# Allegro board 08_041351d.brd (continued)
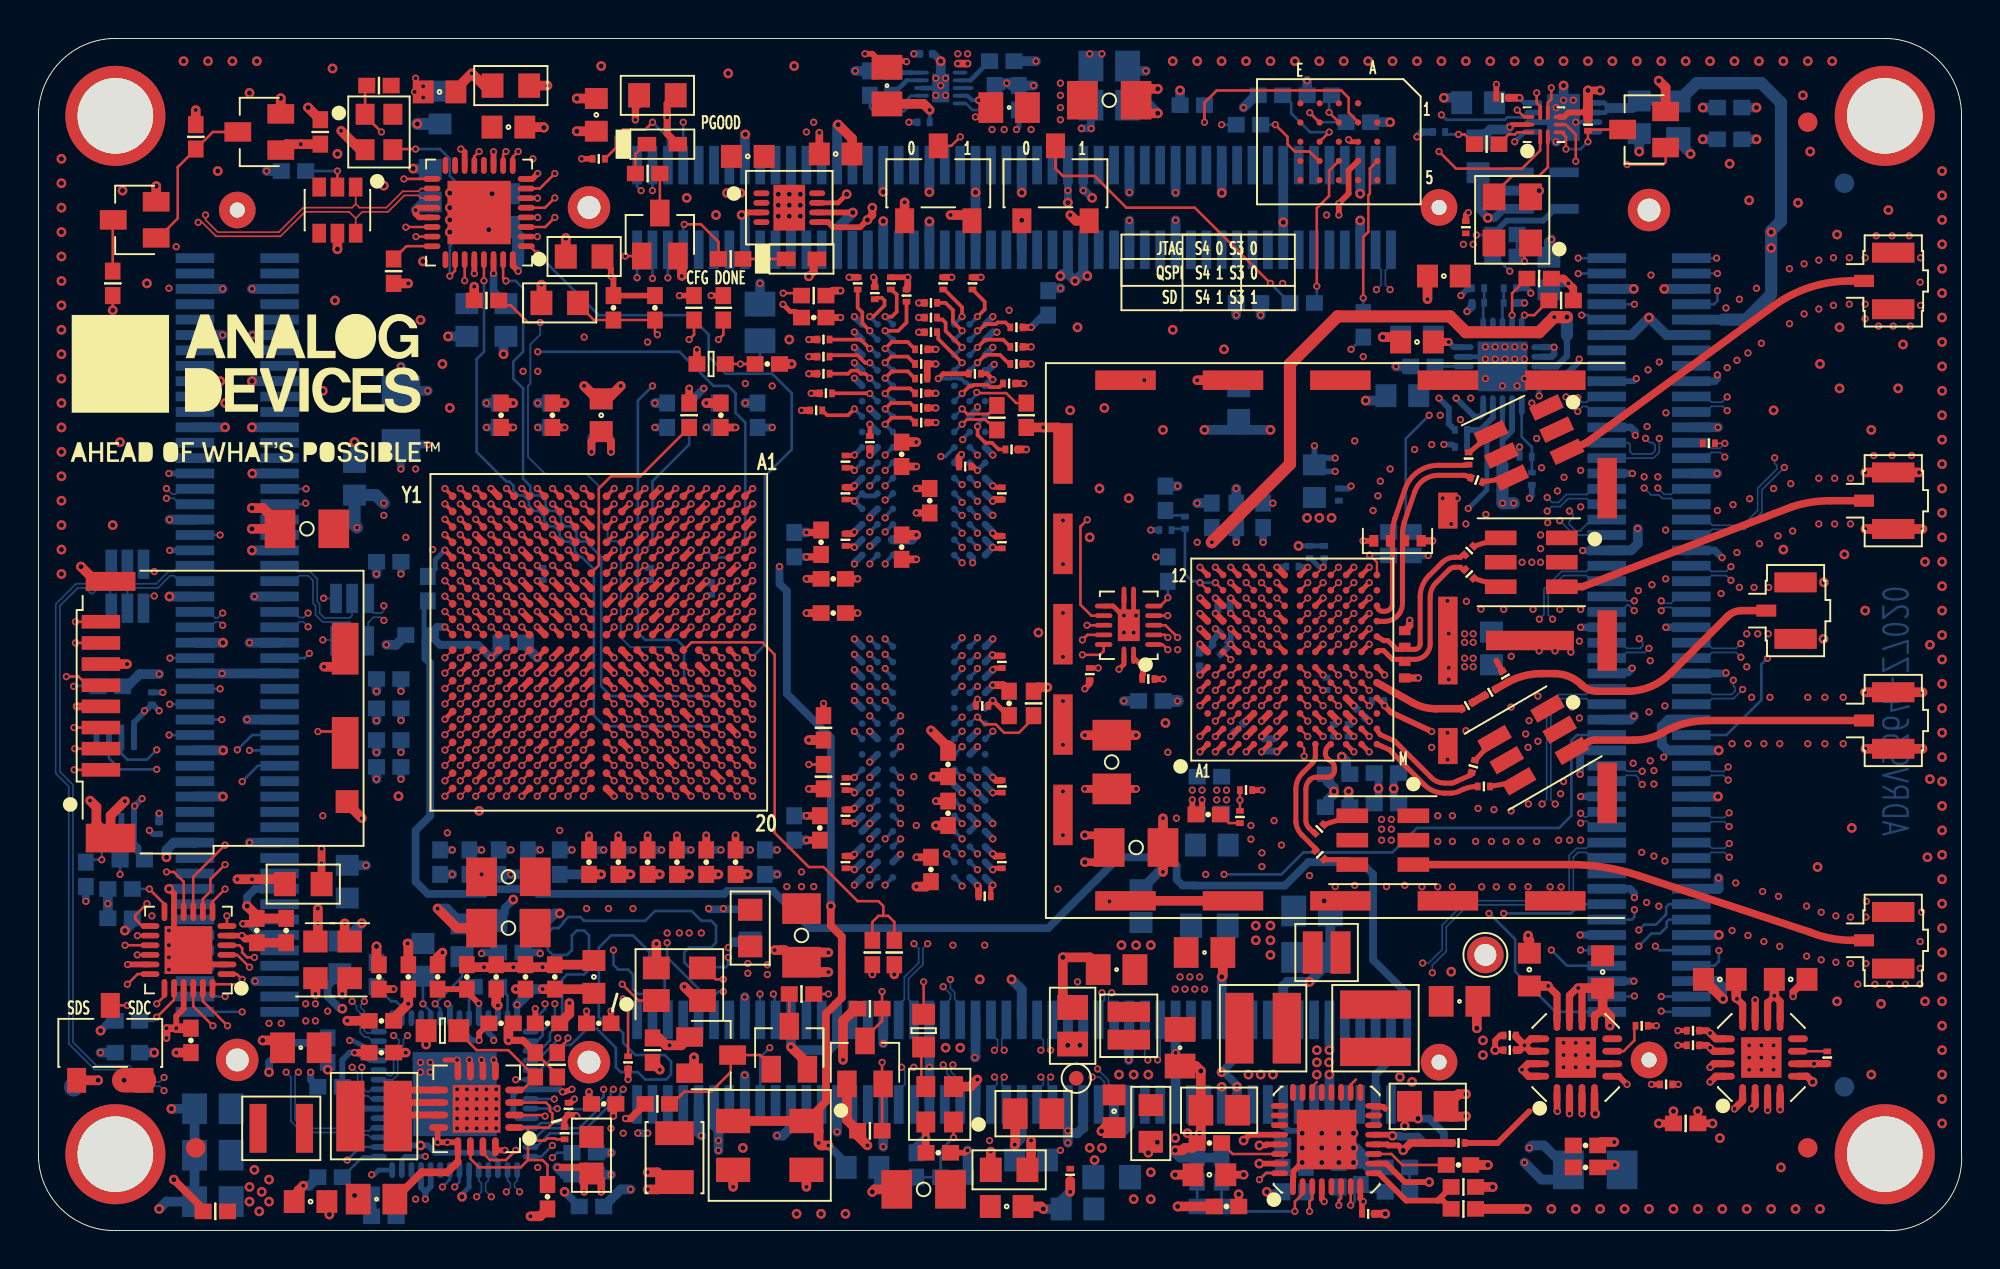
[diagram p0: board, top side]
## Footprints (pads in the part's own frame, mm; a bottom-side part is the same pattern mirrored in y, then rotated) (continued)
C0201
  rect 0.305x0.406 smd: 1(-0.318,0) 2(0.318,0)
C0402
  rect 0.889x0.813 smd: 1(-0.635,0) 2(0.635,0)
C0402H22
  rect 0.889x0.813 smd: 1(-0.635,0) 2(0.635,0)
C0603
  rect 1.092x1.194 smd: 1(-0.851,0) 2(0.851,0)
C0805
  rect 1.295x1.6 smd: 1(-0.953,0) 2(0.953,0)
C0805H53
  rect 1.295x1.6 smd: 1(-0.953,0) 2(0.953,0)
C0805H60
  rect 1.295x1.6 smd: 1(-0.953,0) 2(0.953,0)
C1206H71
  rect 1.6x2.007 smd: 1(-1.397,0) 2(1.397,0)
CNFCI61082-101400
  round 2.21 hole 1.194 unplated: (-22.1,0)
  round 1.905 hole 0.787 unplated: (22.1,0)
  rect 0.508x2.007 smd: 1(-19.6,-2.2) 2(-19.6,2.2) 3(-18.8,-2.2) 4(-18.8,2.2) 5(-18,-2.2) 6(-18,2.2) 7(-17.2,-2.2) 8(-17.2,2.2) 9(-16.4,-2.2) 10(-16.4,2.2) 11(-15.6,-2.2) 12(-15.6,2.2) 13(-14.8,-2.2) 14(-14.8,2.2) 15(-14,-2.2) 16(-14,2.2) 17(-13.2,-2.2) 18(-13.2,2.2) 19(-12.4,-2.2) 20(-12.4,2.2) 21(-11.6,-2.2) 22(-11.6,2.2) 23(-10.8,-2.2) 24(-10.8,2.2) 25(-10,-2.2) 26(-10,2.2) 27(-9.2,-2.2) 28(-9.2,2.2) 29(-8.4,-2.2) 30(-8.4,2.2) 31(-7.6,-2.2) 32(-7.6,2.2) 33(-6.8,-2.2) 34(-6.8,2.2) 35(-6,-2.2) 36(-6,2.2) 37(-5.2,-2.2) 38(-5.2,2.2) 39(-4.4,-2.2) 40(-4.4,2.2) 41(-3.6,-2.2) 42(-3.6,2.2) 43(-2.8,-2.2) 44(-2.8,2.2) 45(-2,-2.2) 46(-2,2.2) 47(-1.2,-2.2) 48(-1.2,2.2) 49(-0.4,-2.2) 50(-0.4,2.2) 51(0.4,-2.2) 52(0.4,2.2) 53(1.2,-2.2) 54(1.2,2.2) 55(2,-2.2) 56(2,2.2) 57(2.8,-2.2) 58(2.8,2.2) 59(3.6,-2.2) 60(3.6,2.2) 61(4.4,-2.2) 62(4.4,2.2) 63(5.2,-2.2) 64(5.2,2.2) 65(6,-2.2) 66(6,2.2) 67(6.8,-2.2) 68(6.8,2.2) 69(7.6,-2.2) 70(7.6,2.2) 71(8.4,-2.2) 72(8.4,2.2) 73(9.2,-2.2) 74(9.2,2.2) 75(10,-2.2) 76(10,2.2) 77(10.8,-2.2) 78(10.8,2.2) 79(11.6,-2.2) 80(11.6,2.2) 81(12.4,-2.2) 82(12.4,2.2) 83(13.2,-2.2) 84(13.2,2.2) 85(14,-2.2) 86(14,2.2) 87(14.8,-2.2) 88(14.8,2.2) 89(15.6,-2.2) 90(15.6,2.2) 91(16.4,-2.2) 92(16.4,2.2) 93(17.2,-2.2) 94(17.2,2.2) 95(18,-2.2) 96(18,2.2) 97(18.8,-2.2) 98(18.8,2.2) 99(19.6,-2.2) 100(19.6,2.2)
CNHIROSE-U_FL-R-SMT-1
  rect 0.635x1.041 smd: 1(0,-1.521)
  rect 1.041x2.21 smd: 2(-1.471,0) 3(1.471,0)
CNHIROSEDM3CS-SF
  rect 2.007x0.711 smd: 1(-6.204,-3.2) 2(-6.204,-2.1) 3(-6.204,-1) 4(-6.204,0.1) 5(-6.204,1.2) 6(-6.204,2.3) 7(-6.204,3.4) 8(-6.204,4.5)
  rect 1.397x2.692 smd: 9(6.5,-1.8) GND3(6.5,3.1)
  rect 2.591x1.499 smd: GND1(-5.7,-6.75)
  rect 1.194x1.194 smd: GND2(6.6,-4.85)
  rect 2.591x0.991 smd: GND4(-5.7,6.6)
DFN8_3X3_PAD2_38X1_64
  oval 0.305x0.838 smd: 1(-0.75,-1.45) 2(-0.25,-1.45) 3(0.25,-1.45) 4(0.75,-1.45) 5(0.75,1.45) 6(0.25,1.45) 7(-0.25,1.45) 8(-0.75,1.45)
  rect 2.388x1.651 smd: PAD(0,0)
DQFN14_3X2_5_PAD1_65X1_15
  oval 0.914x0.254 smd: 1(-1.557,-0.25) 7(1.557,-0.25) 8(1.557,0.25) 14(-1.557,0.25)
  oval 0.254x0.914 smd: 2(-1,-1.307) 3(-0.5,-1.307) 4(0,-1.307) 5(0.5,-1.307) 6(1,-1.307) 9(1,1.307) 10(0.5,1.307) 11(0,1.307) 12(-0.5,1.307) 13(-1,1.307)
  rect 1.651x1.143 smd: PAD(0,0)
FBGA96_C
  round 0.356 smd: A1(-6,-3.2) A2(-6,-2.4) A3(-6,-1.6) A7(-6,1.6) A8(-6,2.4) A9(-6,3.2) B1(-5.2,-3.2) B2(-5.2,-2.4) B3(-5.2,-1.6) B7(-5.2,1.6) B8(-5.2,2.4) B9(-5.2,3.2) C1(-4.4,-3.2) C2(-4.4,-2.4) C3(-4.4,-1.6) C7(-4.4,1.6) C8(-4.4,2.4) C9(-4.4,3.2) D1(-3.6,-3.2) D2(-3.6,-2.4) D3(-3.6,-1.6) D7(-3.6,1.6) D8(-3.6,2.4) D9(-3.6,3.2) E1(-2.8,-3.2) E2(-2.8,-2.4) E3(-2.8,-1.6) E7(-2.8,1.6) E8(-2.8,2.4) E9(-2.8,3.2) F1(-2,-3.2) F2(-2,-2.4) F3(-2,-1.6) F7(-2,1.6) F8(-2,2.4) F9(-2,3.2) G1(-1.2,-3.2) G2(-1.2,-2.4) G3(-1.2,-1.6) G7(-1.2,1.6) G8(-1.2,2.4) G9(-1.2,3.2) H1(-0.4,-3.2) H2(-0.4,-2.4) H3(-0.4,-1.6) H7(-0.4,1.6) H8(-0.4,2.4) H9(-0.4,3.2) J1(0.4,-3.2) J2(0.4,-2.4) J3(0.4,-1.6) J7(0.4,1.6) J8(0.4,2.4) J9(0.4,3.2) K1(1.2,-3.2) K2(1.2,-2.4) K3(1.2,-1.6) K7(1.2,1.6) K8(1.2,2.4) K9(1.2,3.2) L1(2,-3.2) L2(2,-2.4) L3(2,-1.6) L7(2,1.6) L8(2,2.4) L9(2,3.2) M1(2.8,-3.2) M2(2.8,-2.4) M3(2.8,-1.6) M7(2.8,1.6) M8(2.8,2.4) M9(2.8,3.2) N1(3.6,-3.2) N2(3.6,-2.4) N3(3.6,-1.6) N7(3.6,1.6) N8(3.6,2.4) N9(3.6,3.2) P1(4.4,-3.2) P2(4.4,-2.4) P3(4.4,-1.6) P7(4.4,1.6) P8(4.4,2.4) P9(4.4,3.2) R1(5.2,-3.2) R2(5.2,-2.4) R3(5.2,-1.6) R7(5.2,1.6) R8(5.2,2.4) R9(5.2,3.2) T1(6,-3.2) T2(6,-2.4) T3(6,-1.6) T7(6,1.6) T8(6,2.4) T9(6,3.2)
JPRSLD03
  rect 0.61x1.524 smd: 1(-0.838,0) 2(0,0) 3(0.838,0)
L0402
  rect 0.483x0.61 smd: 1(-0.43,0) 2(0.43,0)
L0402#2
  rect 0.889x0.813 smd: 1(-0.635,0) 2(0.635,0)
L0603
  rect 0.889x0.813 smd: 1(-0.737,0) 2(0.737,0)
L0805
  rect 1.143x1.27 smd: 1(-0.953,0) 2(0.953,0)
L1008_A
  rect 0.889x2.54 smd: 1(-1.206,0) 2(1.206,0)
L1210H67
  rect 1.245x2.007 smd: 1(-1.272,0) 2(1.272,0)
LED0603
  rect 0.965x0.762 smd: A(0.8,0) C(-0.8,0)
LSMSQ79H41
  rect 1.041x2.21 smd: 1(-0.724,0) 2(0.724,0)
LSMSQ157H83
  rect 1.473x3.683 smd: 1(-1.232,0) 2(1.232,0)
MLT15CCC2243A
  rect 3.15x1.016 smd: GND1(-11.455,-13.538) GND2(-5.867,-13.538) GND3(-0.279,-13.538) GND4(5.309,-13.538) GND5(10.897,-13.538) GND11(10.897,13.538) GND12(5.309,13.538) GND13(-0.279,13.538) GND14(-5.867,13.538) GND15(-11.455,13.538)
  rect 1.016x3.15 smd: GND6(14.148,-9.728) GND7(14.148,-5.029) GND8(14.148,-0.33) GND9(14.148,4.369) GND10(14.148,9.068) GND16(-14.148,7.925) GND17(-14.148,0) GND18(-14.148,-7.925)
  rect 4.572x1.016 smd: GND19(-10.135,0)
  rect 1.016x1.88 smd: GND20(-5.867,5.486) GND22(-5.867,-6.756)
  rect 1.016x4.572 smd: GND21(-5.867,0)
MSOP8
  rect 0.305x1.321 smd: 1(-0.975,-2.3) 2(-0.325,-2.3) 3(0.325,-2.3) 4(0.975,-2.3) 5(0.975,2.3) 6(0.325,2.3) 7(-0.325,2.3) 8(-0.975,2.3)
QFN8_3X3_PAD2_44X1_7
  oval 0.305x0.914 smd: 1(-0.75,-1.557) 2(-0.25,-1.557) 3(0.25,-1.557) 4(0.75,-1.557) 5(0.75,1.557) 6(0.25,1.557) 7(-0.25,1.557) 8(-0.75,1.557)
  rect 2.438x1.702 smd: PAD(0,0)
QFN10_1_6X1_3
  oval 0.61x0.203 smd: 1(-0.8,-0.4) 4(0.8,-0.4) 5(0.8,0) 6(0.8,0.4) 9(-0.8,0.4) 10(-0.8,0)
  oval 0.203x0.813 smd: 2(-0.2,-0.65) 3(0.2,-0.65) 7(0.2,0.65) 8(-0.2,0.65)
QFN16_4X4_PAD2_1X2_1
  oval 0.356x1.041 smd: 1(-0.975,-1.9) 2(-0.325,-1.9) 3(0.325,-1.9) 4(0.975,-1.9) 9(0.975,1.9) 10(0.325,1.9) 11(-0.325,1.9) 12(-0.975,1.9)
  oval 1.041x0.356 smd: 5(1.9,-0.975) 6(1.9,-0.325) 7(1.9,0.325) 8(1.9,0.975) 13(-1.9,0.975) 14(-1.9,0.325) 15(-1.9,-0.325) 16(-1.9,-0.975)
  rect 2.108x2.108 smd: PAD(0,0)
QFN16_4X4_PAD2_5X2_5
  oval 0.356x0.991 smd: 1(-0.975,-1.974) 2(-0.325,-1.974) 3(0.325,-1.974) 4(0.975,-1.974) 9(0.975,1.974) 10(0.325,1.974) 11(-0.325,1.974) 12(-0.975,1.974)
  oval 0.991x0.356 smd: 5(1.974,-0.975) 6(1.974,-0.325) 7(1.974,0.325) 8(1.974,0.975) 13(-1.974,0.975) 14(-1.974,0.325) 15(-1.974,-0.325) 16(-1.974,-0.975)
  rect 2.489x2.489 smd: PAD(0,0)
QFN20_4X4_PAD2_6X2_6
  oval 0.305x1.041 smd: 1(-1,-2.019) 2(-0.5,-2.019) 3(0,-2.019) 4(0.5,-2.019) 5(1,-2.019) 11(1,2.019) 12(0.5,2.019) 13(0,2.019) 14(-0.5,2.019) 15(-1,2.019)
  oval 1.041x0.305 smd: 6(2.019,-1) 7(2.019,-0.5) 8(2.019,0) 9(2.019,0.5) 10(2.019,1) 16(-2.019,1) 17(-2.019,0.5) 18(-2.019,0) 19(-2.019,-0.5) 20(-2.019,-1)
  rect 2.591x2.591 smd: PAD(0,0)
QFN24_4X4_PAD2_5X2_5
  oval 0.305x0.991 smd: 1(-1.25,-2) 2(-0.75,-2) 3(-0.25,-2) 4(0.25,-2) 5(0.75,-2) 6(1.25,-2) 13(1.25,2) 14(0.75,2) 15(0.25,2) 16(-0.25,2) 17(-0.75,2) 18(-1.25,2)
  oval 0.991x0.305 smd: 7(2,-1.25) 8(2,-0.75) 9(2,-0.25) 10(2,0.25) 11(2,0.75) 12(2,1.25) 19(-2,1.25) 20(-2,0.75) 21(-2,0.25) 22(-2,-0.25) 23(-2,-0.75) 24(-2,-1.25)
  rect 2.489x2.489 smd: PAD(0,0)
QFN32_5X5_PAD3_1X3_1
  oval 0.305x0.889 smd: 1(-1.75,-2.45) 2(-1.25,-2.45) 3(-0.75,-2.45) 4(-0.25,-2.45) 5(0.25,-2.45) 6(0.75,-2.45) 7(1.25,-2.45) 8(1.75,-2.45) 17(1.75,2.45) 18(1.25,2.45) 19(0.75,2.45) 20(0.25,2.45) 21(-0.25,2.45) 22(-0.75,2.45) 23(-1.25,2.45) 24(-1.75,2.45)
  oval 0.889x0.305 smd: 9(2.45,-1.75) 10(2.45,-1.25) 11(2.45,-0.75) 12(2.45,-0.25) 13(2.45,0.25) 14(2.45,0.75) 15(2.45,1.25) 16(2.45,1.75) 25(-2.45,1.75) 26(-2.45,1.25) 27(-2.45,0.75) 28(-2.45,0.25) 29(-2.45,-0.25) 30(-2.45,-0.75) 31(-2.45,-1.25) 32(-2.45,-1.75)
  rect 3.099x3.099 smd: PAD(0,0)
QFN32_5X5_PAD3_3X3_3
  oval 0.305x0.889 smd: 1(-1.75,-2.45) 2(-1.25,-2.45) 3(-0.75,-2.45) 4(-0.25,-2.45) 5(0.25,-2.45) 6(0.75,-2.45) 7(1.25,-2.45) 8(1.75,-2.45) 17(1.75,2.45) 18(1.25,2.45) 19(0.75,2.45) 20(0.25,2.45) 21(-0.25,2.45) 22(-0.75,2.45) 23(-1.25,2.45) 24(-1.75,2.45)
  oval 0.889x0.305 smd: 9(2.45,-1.75) 10(2.45,-1.25) 11(2.45,-0.75) 12(2.45,-0.25) 13(2.45,0.25) 14(2.45,0.75) 15(2.45,1.25) 16(2.45,1.75) 25(-2.45,1.75) 26(-2.45,1.25) 27(-2.45,0.75) 28(-2.45,0.25) 29(-2.45,-0.25) 30(-2.45,-0.75) 31(-2.45,-1.25) 32(-2.45,-1.75)
  rect 3.302x3.302 smd: PAD(0,0)
QFN56_8X8_PAD4_37X4_37
  oval 0.305x0.838 smd: 1(-3.25,-3.95) 2(-2.75,-3.95) 3(-2.25,-3.95) 4(-1.75,-3.95) 5(-1.25,-3.95) 6(-0.75,-3.95) 7(-0.25,-3.95) 8(0.25,-3.95) 9(0.75,-3.95) 10(1.25,-3.95) 11(1.75,-3.95) 12(2.25,-3.95) 13(2.75,-3.95) 14(3.25,-3.95) 29(3.25,3.95) 30(2.75,3.95) 31(2.25,3.95) 32(1.75,3.95) 33(1.25,3.95) 34(0.75,3.95) 35(0.25,3.95) 36(-0.25,3.95) 37(-0.75,3.95) 38(-1.25,3.95) 39(-1.75,3.95) 40(-2.25,3.95) 41(-2.75,3.95) 42(-3.25,3.95)
  oval 0.838x0.305 smd: 15(3.95,-3.25) 16(3.95,-2.75) 17(3.95,-2.25) 18(3.95,-1.75) 19(3.95,-1.25) 20(3.95,-0.75) 21(3.95,-0.25) 22(3.95,0.25) 23(3.95,0.75) 24(3.95,1.25) 25(3.95,1.75) 26(3.95,2.25) 27(3.95,2.75) 28(3.95,3.25) 43(-3.95,3.25) 44(-3.95,2.75) 45(-3.95,2.25) 46(-3.95,1.75) 47(-3.95,1.25) 48(-3.95,0.75) 49(-3.95,0.25) 50(-3.95,-0.25) 51(-3.95,-0.75) 52(-3.95,-1.25) 53(-3.95,-1.75) 54(-3.95,-2.25) 55(-3.95,-2.75) 56(-3.95,-3.25)
  rect 4.369x4.369 smd: PAD(0,0)
R0201
  rect 0.305x0.406 smd: 1(-0.318,0) 2(0.318,0)
R0402
  rect 0.889x0.813 smd: 1(-0.635,0) 2(0.635,0)
R0603
  rect 1.092x1.194 smd: 1(-0.851,0) 2(0.851,0)
SON10_2X2_PAD1_5X0_9
  oval 0.203x0.762 smd: 1(-0.8,-1) 2(-0.4,-1) 3(0,-1) 4(0.4,-1) 5(0.8,-1) 6(0.8,1) 7(0.4,1) 8(0,1) 9(-0.4,1) 10(-0.8,1)
  rect 1.499x0.889 smd: PAD(0,0)
SOT23
  rect 1.016x1.397 smd: 1(-0.94,-1.118) 2(0.94,-1.118) 3(0,1.118)
SOT23_6-2
  rect 0.711x0.991 smd: 1(-0.95,-1.2) 2(0,-1.2) 3(0.95,-1.2) 4(0.95,1.2) 5(0,1.2) 6(-0.95,1.2)
SWSML213W98H98
  rect 0.991x1.295 smd: 1(-1.75,-1.948) 2(0,1.948) 3(1.75,-1.948)
SWSMSQ197H165
  rect 1.778x1.27 smd: 1A(-1.905,-1.27) 1B(1.905,-1.27) 2A(-1.905,1.27) 2B(1.905,1.27)
TBGA24
  round 0.33 smd: A2(-2,-1) A3(-2,0) A4(-2,1) A5(-2,2) B1(-1,-2) B2(-1,-1) B3(-1,0) B4(-1,1) B5(-1,2) C1(0,-2) C2(0,-1) C3(0,0) C4(0,1) C5(0,2) D1(1,-2) D2(1,-1) D3(1,0) D4(1,1) D5(1,2) E1(2,-2) E2(2,-1) E3(2,0) E4(2,1) E5(2,2)
TPC75D45
  round 1.905 hole 1.143: 1(0,0)
TPSMC30
  round 0.762 smd: 1(0,0)
TSML150W160H160
  rect 0.762x1.651 smd: 1(-1.27,1.587) 2(0,1.587) 3(1.27,1.587) 4(1.27,-1.587) 5(0,-1.587) 6(-1.27,-1.587)
TSOT-5
  rect 0.508x1.524 smd: 1(-0.95,-1.17) 2(0,-1.17) 3(0.95,-1.17) 4(0.95,1.17) 5(-0.95,1.17)
unnamed
  round 1.016 smd: (0,0)
unnamed#2
  round 5.207 hole 3.937 unplated: (0,0)
YSML98W79H35
  rect 1.092x0.991 smd: 1(-0.921,-0.72) 2(0.921,-0.72) 3(0.921,0.72) 4(-0.921,0.72)
YSML126W98H39
  rect 1.397x1.194 smd: 1(-1.199,-0.847) 2(1.199,-0.847) 3(1.199,0.847) 4(-1.199,0.847)
YSML126W98H47
  rect 1.397x1.194 smd: 1(-1.2,-0.95) 2(1.2,-0.95) 3(1.2,0.95) 4(-1.2,0.95)

## Nets
1.0V: C128.1 C130.1 C131.1 E4.1 E5.1 E6.1 L6.2(N2) R49.2(N2)
1.8V: C129.1 C135.1 C148.1 C149.1 E9.1 E14.1 L10.2(N2) R22.2(N2) R39.1 U19.1 U19.2 U19.3 U19.4 U19.15 U19.16 U20.1 U20.2 U20.3 U20.4 U20.15 U20.16
1.35V: C132.1 C136.1 E2.1 E3.1 L7.2(N2) R35.2(N2)
3.3V: C38.1 C111.2(N2) C124.1 C134.1 C152.1 C188.2(N2) C199.1 C244.2(N2) D3.A(P) E7.1 E8.1 E15.1 E16.1 R33.1 R42.1 R43.1 R44.1 R61.1 R63.1 R65.1 U5.6(VDD) U6.5 U6.8 U7.1 U7.3 U9.1(VOUT) U9.2 U21.8(VCCB) U24.10 U24.16 U24.17
GND: C1.2(N2) C2.2(N2) C3.2(N2) C4.2(N2) C5.2(N2) C7.2(N2) C10.2(N2) C11.2(N2) C12.1 C13.1 C14.1 C15.2(N2) C16.2(N2) C17.2(N2) C18.2(N2) C19.2(N2) C20.2(N2) C21.2(N2) C22.2(N2) C23.2(N2) C24.1 C27.2(N2) C28.2(N2) C29.2(N2) C30.2(N2) C31.2(N2) C32.2(N2) C33.2(N2) C34.2(N2) C35.2(N2) C36.2(N2) C37.2(N2) C38.2(N2) C39.2(N2) C40.2(N2) C41.2(N2) C42.2(N2) C43.1 C44.2(N2) C45.2(N2) C46.2(N2) C47.2(N2) C48.2(N2) C49.2(N2) C50.2(N2) C51.2(N2) C52.2(N2) C53.2(N2) C54.2(N2) C55.2(N2) C56.2(N2) C57.2(N2) C58.2(N2) C59.2(N2) C60.2(N2) C61.2(N2) C63.2(N2) C64.2(N2) C65.2(N2) C66.2(N2) C67.2(N2) C68.2(N2) C69.2(N2) C70.2(N2) C71.2(N2) C72.2(N2) C73.2(N2) C74.2(N2) C75.2(N2) C76.2(N2) C77.2(N2) C78.2(N2) C79.2(N2) C80.2(N2) C81.2(N2) C82.2(N2) C83.2(N2) C84.2(N2) C86.2(N2) C87.2(N2) C88.2(N2) C89.2(N2) C91.2(N2) C92.2(N2) C93.1 C94.2(N2) C95.2(N2) C96.2(N2) C97.2(N2) C98.2(N2) C100.2(N2) C101.2(N2) C102.2(N2) C103.2(N2) C104.1 C105.1 C106.2(N2) C107.2(N2) C108.2(N2) C109.2(N2) C111.1 C112.2(N2) C113.2(N2) C115.2(N2) C116.2(N2) C117.2(N2) C118.2(N2) C119.2(N2) C120.2(N2) C121.2(N2) C122.1 C123.1 C124.2(N2) C125.2(N2) C126.2(N2) C128.2(N2) C129.2(N2) C130.2(N2) C131.2(N2) C132.2(N2) C133.2(N2) C134.2(N2) C135.2(N2) C136.2(N2) C137.2(N2) C138.2(N2) C139.2(N2) C140.2(N2) C141.2(N2) C142.1 C143.2(N2) C144.1 C145.1 C146.2(N2) C147.2(N2) C148.2(N2) C149.2(N2) C150.2(N2) C151.2(N2) C152.2(N2) C158.2(N2) C159.2(N2) C162.2(N2) C163.2(N2) C165.2(N2) C167.2(N2) C169.2(N2) C170.2(N2) C171.2(N2) C173.2(N2) C174.2(N2) C175.2(N2) C178.2(N2) C179.2(N2) C181.2(N2) C182.2(N2) C183.2(N2) C184.2(N2) C188.1 C191.2(N2) C193.2(N2) C194.2(N2) C195.2(N2) C196.2(N2) C197.2(N2) C198.2(N2) C199.2(N2) C200.2(N2) C201.2(N2) C203.2(N2) C206.2(N2) C208.2(N2) C210.2(N2) C211.2(N2) C212.2(N2) C214.2(N2) C217.2(N2) C218.2(N2) C219.2(N2) C224.2(N2) C225.2(N2) C226.2(N2) C243.1 C244.1 C245.2(N2) C246.2(N2) C251.2(N2) C311.2(N2) C312.2(N2) C313.2(N2) C314.2(N2) C315.2(N2) C319.2(N2) C320.2(N2) C321.2(N2) C322.2(N2) C323.2(N2) C324.2(N2) C325.2(N2) C326.2(N2) C327.2(N2) C328.2(N2) C329.2(N2) C330.2(N2) C331.2(N2) C332.2(N2) C333.2(N2) C334.2(N2) C335.2(N2) C340.2(N2) C341.2(N2) C342.2(N2) C343.2(N2) C344.2(N2) C354.2(N2) C355.2(N2) C356.2(N2) C357.2(N2) C358.2(N2) C360.2(N2) C361.2(N2) C363.2(N2) C364.2(N2) C365.2(N2) E12.1 J3.6 J3.GND1 J3.GND2 J3.GND3 J3.GND4 JX1.15 JX1.16 JX1.21 JX1.22 JX1.27 JX1.28 JX1.33 JX1.34 JX1.39 JX1.40 JX1.45 JX1.46 JX1.51 JX1.52 JX1.65 JX1.66 JX1.71 JX1.72 JX1.77 JX1.85 JX1.86 JX1.95 JX1.96 JX2.15 JX2.16 JX2.21 JX2.22 JX2.27 JX2.28 JX2.33 JX2.34 JX2.39 JX2.40 JX2.45 JX2.46 JX2.51 JX2.52 JX2.65 JX2.66 JX2.71 JX2.72 JX2.77 JX2.85 JX2.86 JX2.91 JX2.92 JX3.6 JX3.12 JX3.17 JX3.18 JX3.23 JX3.24 JX3.29 JX3.35 JX3.40 JX3.49 JX3.50 JX3.55 JX3.56 JX3.61 JX3.62 JX3.65 JX3.71 JX3.72 JX3.77 JX3.78 JX3.83 JX3.84 JX3.89 JX3.90 JX3.95 JX3.96 JX4.5 JX4.6 JX4.11 JX4.12 JX4.17 JX4.18 JX4.23 JX4.24 JX4.29 JX4.30 JX4.39 JX4.40 JX4.49 JX4.50 JX4.55 JX4.56 JX4.61 JX4.62 JX4.65 JX4.66 JX4.71 JX4.72 JX4.83 JX4.84 JX4.89 JX4.90 JX4.95 JX4.96 M1.GND1 M1.GND2 M1.GND3 M1.GND4 M1.GND5 M1.GND6 M1.GND7 M1.GND8 M1.GND9 M1.GND10 M1.GND11 M1.GND12 M1.GND13 M1.GND14 M1.GND15 M1.GND16 M1.GND17 M1.GND18 M1.GND19 M1.GND20 M1.GND21 M1.GND22 Q1.2(S) Q2.2(S) Q3.2(S) Q4.2(S) Q6.2(S) Q14.2(S) R5.2(N2) R10.1 R12.1 R13.2(N2) R14.2(N2) R20.1 R26.2(N2) R27.2(N2) R29.1 R34.2(N2) R38.2(N2) R41.2(N2) R45.2(N2) R47.2(N2) R50.2(N2) R53.2(N2) R59.2(N2) R62.2(N2) R64.2(N2) R66.2(N2) R68.2(N2) R101.2(N2) R111.1 R116.2(N2) R119.2(N2) R120.2(N2) R125.2(N2) R133.2(N2) R135.2(N2) R165.2(N2) R166.2(N2) R176.2(N2) R191.2(N2) RXA.2 RXA.3(SH2) RXB.2 RXB.3(SH2) S1.1(NO) S3.1(NO) S4.1(NO) SW1.2A SW1.2B(N4) T1.1 T1.2 T1.5 T2.1 T2.2 T2.5 T3.1 T3.2 T3.5 T4.1 T4.2 T4.5 TXA.2 TXA.3(SH2) TXB.2 TXB.3(SH2) TXM.2 TXM.3(SH2) U1.A8 U1.A18 U1.B1 U1.B11 U1.C4 U1.C9 U1.C14 U1.D17 U1.E10 U1.E20 U1.F3 U1.F7 U1.F10 U1.G10 U1.G12 U1.G16 U1.H7 U1.H9 U1.H11 U1.H13 U1.H19 U1.J2 U1.J8 U1.J12 U1.K5 U1.K7 U1.K11 U1.K13 U1.K15 U1.L8 U1.L12 U1.L18 U1.M1 U1.M7 U1.M11 U1.M13 U1.N4 U1.N8 U1.N10 U1.N12 U1.N14 U1.P7 U1.P9 U1.P11 U1.P13 U1.P17 U1.R8 U1.R12 U1.R20 U1.T3 U1.T7 U1.T13 U1.U6 U1.U16 U1.V9 U1.V19 U1.W2 U1.W12 U1.Y5 U1.Y15 U2.A9 U2.B1 U2.B3 U2.B9 U2.D1 U2.D8 U2.E1 U2.E2 U2.E8 U2.F9 U2.G1 U2.G8 U2.G9 U2.J2 U2.J8 U2.M1 U2.M9 U2.P1 U2.P9 U2.T1 U2.T9 U3.A9 U3.B1 U3.B3 U3.B9 U3.D1 U3.D8 U3.E1 U3.E2 U3.E8 U3.F9 U3.G1 U3.G8 U3.G9 U3.J2 U3.J8 U3.M1 U3.M9 U3.P1 U3.P9 U3.T1 U3.T9 U4.1 U4.19 U4.20 U4.21 U4.22 U4.PAD U5.10 U6.3 U6.6 U6.PAD U7.2 U9.3 U9.6 U9.PAD U10.PAD U11.2 U11.11 U11.PAD U13.B3 U14.4 U14.8 U14.PAD U15.PAD U16.5(REF2) U17.A1 U17.A2 U17.A4 U17.A5 U17.A6 U17.A12 U17.B1 U17.B2 U17.B12 U17.C1 U17.C2 U17.C4 U17.C7 U17.C8 U17.C9 U17.C10 U17.C11 U17.C12 U17.D1 U17.D12 U17.E1 U17.F1 U17.F3 U17.F7 U17.F9 U17.F11 U17.G12 U17.H2 U17.H3 U17.H6 U17.H7 U17.H10 U17.J2 U17.K1 U17.K2 U17.K12 U17.L1 U17.L2 U17.L3 U17.L7 U17.L8 U17.L9 U17.L10 U17.L11 U17.L12 U17.M4 U17.M6 U18.5 U18.6 U18.7 U18.8 U18.PAD U19.6 U19.PAD U20.6 U20.PAD U21.4 U22.7 U22.8 U22.9 U22.PAD U24.6 U24.9 U24.PAD Y1.2 Y2.2 Y2.4 Y3.2 Y4.2
VCC-1P35: C86.1 C87.1 C88.1 C89.1 C91.1 C92.1 C94.1 C95.1 C96.1 C97.1 C100.1 C106.1 C107.1 C108.1 C109.1 C112.1 C115.1 C116.1 C117.1 C118.1 C120.1 C147.1 E3.2(N2) R134.2(N2) U2.A1 U2.A8 U2.B2 U2.C1 U2.C9 U2.D2 U2.D9 U2.E9 U2.F1 U2.G7 U2.H2 U2.H9 U2.K2 U2.K8 U2.N1 U2.N9 U2.R1 U2.R9 U3.A1 U3.A8 U3.B2 U3.C1 U3.C9 U3.D2 U3.D9 U3.E9 U3.F1 U3.G7 U3.H2 U3.H9 U3.K2 U3.K8 U3.N1 U3.N9 U3.R1 U3.R9 U14.1
VCC-3P3V: C43.2(N2) C196.1 E7.2(N2) R178.1 R221.1 R222.1 U14.10
VCC-3P3V-IO: C30.1 C41.1 C42.1 C57.1 C71.1 C184.1 C197.1 D4.A(P) E8.2(N2) J3.4 R4.1 R8.1 R109.1 R167.1 R168.1 R169.2(N2) U1.K6 U1.N6 U1.R6 U1.T6 U11.17(VCCB1) U11.21 U15.20 U15.21
VCC-BRAM: C56.1 C70.1 C72.1 C194.1 E5.2(N2) U1.G11 U1.H10
VCCINT-1P0V: C1.1 C16.1 C19.1 C23.1 C140.1 C141.1 C143.1 C151.1 C195.1 E6.2(N2) U1.G13 U1.H12 U1.J13 U1.K12 U1.L13 U1.M12 U1.N13 U1.P12 U1.R13
VCCO-DDR: C11.1 C17.1 C20.1 C121.1 C125.1 C138.1 C193.1 E2.2(N2) U1.A3 U1.D2 U1.E5 U1.G1 U1.H4 U1.L3 U1.P2 U1.R5 U1.U1 U1.V4
VCCPCOM-1P8V: C24.2(N2) C29.1 C32.1 C39.1 C40.1 C52.1 C53.1 C54.1 C55.1 C82.1 C83.1 C126.1 C145.2(N2) C174.1 C175.1 C179.1 C181.1 C182.1 C183.1 C198.1 E1.1 E9.2(N2) L12.1 Q5.1 R6.1 R7.1 R9.1 R28.1 R31.1 R32.1 R36.1 R37.1 R40.1 R194.1 S1.3 S3.3 S4.3 U1.A13 U1.B6 U1.B16 U1.D7 U1.D12 U1.E15 U1.F8 U1.G9 U1.H8 U1.J11 U1.K8 U1.L11 U1.M8 U1.N9 U1.N11 U1.P10 U1.R9 U11.5 U13.B4 U15.8 U15.11 U15.14 U15.28 U15.30 U15.32 Y1.4(VDD) Y3.4(VDD)
VCCPINT-1P0V: C10.1 C159.1 C162.1 C163.1 C173.1 C191.1 E4.2(N2) U1.G7 U1.J7 U1.L7 U1.N7 U1.P8 U1.R7
VDD_INTERFACE: C28.1 C31.1 C33.1 C35.1 C44.1 C47.1 C51.1 C245.1 C354.1 C355.1 C356.1 C357.1 C363.1 E10.2(N2) R306.2(N2) U1.C19 U1.F18 U1.H14 U1.J17 U1.K20 U1.M16 U17.H12 U22.1
VDDA_GPO: C319.1 C358.1 C360.1 C361.1 E11.2(N2) R67.1 U17.B8
VDDA_GPO_PWR: C200.1 E10.1 E11.1 JX4.9 U6.1(VOUT) U6.2
1P3_SUPPLY_A: C312.1 C313.1 C314.1 C315.1 C320.1 C321.1 C322.1 C323.1 C326.1 C327.1 C328.1 C329.1 U17.B9 U17.B10 U17.E2 U17.F2 U17.J3 U17.K3 U19.9 U19.10 U19.11 U19.12 U19.13 U19.14(VOUT5) U24.18
1P3_SUPPLY_B: C14.2(N2) C21.1 C93.2(N2) C98.1 C324.1 C325.1 C330.1 C331.1 C332.1 C333.1 C334.1 C335.1 C341.1 C342.1 C343.1 C344.1 L1.1 L2.1 L8.1 L9.1 U17.A7 U17.A8 U17.A9 U17.A10 U17.D2 U17.D3 U17.E3 U17.F12 U17.K4 U20.9 U20.10 U20.11 U20.12 U20.13 U20.14(VOUT5) U24.19
AD9364_CLK: C62.1 JX4.63 R5.1
ADP2114_VIN: C146.1 C150.1 R23.2(N2) U4.4 U4.8 U4.10 U4.31
AUXADC: JX4.7 U17.L5
AUXDAC1: JX4.8 U17.B3
AUXDAC2: JX4.10 U17.C3
CARRIER_RESET: JX1.6 Q5.3 R8.2(N2)
COMP_1P8V: C67.1 R46.1 U4.2
COMP_1P35V: C68.1 C114.1 U4.7
CTRL_IN0: U17.C5 U22.2
CTRL_IN1: U17.C6 U22.3
CTRL_IN2: U17.D5 U22.4
CTRL_IN3: U17.D6 U22.5
DDR3_A0: R136.1 U1.N2 U2.N3 U3.N3
DDR3_A1: R137.1 U1.K2 U2.P7 U3.P7
DDR3_A2: R138.1 U1.M3 U2.P3 U3.P3
DDR3_A3: R139.1 U1.K3 U2.N2 U3.N2
DDR3_A4: R140.1 U1.M4 U2.P8 U3.P8
DDR3_A5: R141.1 U1.L1 U2.P2 U3.P2
DDR3_A6: R143.1 U1.L4 U2.R8 U3.R8
DDR3_A7: R144.1 U1.K4 U2.R2 U3.R2
DDR3_A8: R145.1 U1.K1 U2.T8 U3.T8
DDR3_A9: R146.1 U1.J4 U2.R3 U3.R3
DDR3_A10: R147.1 U1.F5 U2.L7 U3.L7
DDR3_A11: R148.1 U1.G4 U2.R7 U3.R7
DDR3_A12: R149.1 U1.E4 U2.N7 U3.N7
DDR3_A13: R150.1 U1.D4 U2.T3 U3.T3
DDR3_A14: R151.1 U1.F4 U2.T7 U3.T7
DDR3_BA0: R152.1 U1.L5 U2.M2 U3.M2
DDR3_BA1: R153.1 U1.R4 U2.N8 U3.N8
DDR3_BA2: R154.1 U1.J5 U2.M3 U3.M3
DDR3_CAS#: R159.1 U1.P5 U2.K3 U3.K3
DDR3_CK_N: R142.2(N2) U1.M2 U2.K7 U3.K7
DDR3_CK_P: R142.1 U1.L2 U2.J7 U3.J7
DDR3_CKE: R160.1 U1.N3 U2.K9 U3.K9
DDR3_CS#: R163.1 U1.N1 U2.L2 U3.L2
DDR3_DM0: U1.A1 U2.E7
DDR3_DM1: U1.F1 U2.D3
DDR3_DM2: U1.T1 U3.E7
DDR3_DM3: U1.Y1 U3.D3
DDR3_DQ0: U1.C3 U2.E3
DDR3_DQ1: U1.B3 U2.F7
DDR3_DQ2: U1.A2 U2.F2
DDR3_DQ3: U1.A4 U2.F8
DDR3_DQ4: U1.D3 U2.H3
DDR3_DQ5: U1.D1 U2.H8
DDR3_DQ6: U1.C1 U2.G2
DDR3_DQ7: U1.E1 U2.H7
DDR3_DQ8: U1.E2 U2.D7
DDR3_DQ9: U1.E3 U2.C3
DDR3_DQ10: U1.G3 U2.C8
DDR3_DQ11: U1.H3 U2.C2
DDR3_DQ12: U1.J3 U2.A7
DDR3_DQ13: U1.H2 U2.A2
DDR3_DQ14: U1.H1 U2.B8
DDR3_DQ15: U1.J1 U2.A3
DDR3_DQ16: U1.P1 U3.E3
DDR3_DQ17: U1.P3 U3.F7
DDR3_DQ18: U1.R3 U3.F2
DDR3_DQ19: U1.R1 U3.F8
DDR3_DQ20: U1.T4 U3.H3
DDR3_DQ21: U1.U4 U3.H8
DDR3_DQ22: U1.U2 U3.G2
DDR3_DQ23: U1.U3 U3.H7
DDR3_DQ24: U1.V1 U3.D7
DDR3_DQ25: U1.Y3 U3.C3
DDR3_DQ26: U1.W1 U3.C8
DDR3_DQ27: U1.Y4 U3.C2
DDR3_DQ28: U1.Y2 U3.A7
DDR3_DQ29: U1.W3 U3.A2
DDR3_DQ30: U1.V2 U3.B8
DDR3_DQ31: U1.V3 U3.A3
DDR3_DQS0_N: U1.B2 U2.G3
DDR3_DQS0_P: U1.C2 U2.F3
DDR3_DQS1_N: U1.F2 U2.B7
DDR3_DQS1_P: U1.G2 U2.C7
DDR3_DQS2_N: U1.T2 U3.G3
DDR3_DQS2_P: U1.R2 U3.F3
DDR3_DQS3_N: U1.W4 U3.B7
DDR3_DQS3_P: U1.W5 U3.C7
DDR3_ODT: R162.1 U1.N5 U2.K1 U3.K1
DDR3_RAS#: R156.1 U1.P4 U2.J3 U3.J3
DDR3_RST#: R133.1 U1.B4 U2.T2 U3.T2
DDR3_WE#: R155.1 U1.M5 U2.L3 U3.L3
DX_0_N: JX1.100 U1.M10
DX_0_P: JX1.98 U1.M9
ETH_MD1_N: JX3.53 U10.27
ETH_MD1_P: JX3.51 U10.28
ETH_MD2_N: JX3.54 U10.23
ETH_MD2_P: JX3.52 U10.24
ETH_MD3_N: JP2.1 U10.21
ETH_MD3_P: JP1.1 U10.22
ETH_MD4_N: JP4.1 U10.17
ETH_MD4_P: JP3.1 U10.18
ETH_PHY_LED0: JX3.47 R18.2(N2)
ETH_PHY_LED1: JX3.48 R17.2(N2)
FB0: R29.2(N2) R48.1 U18.4
FB_1P8V: R39.2(N2) R45.1 U4.32
FB_1P35V: R34.1 R35.1 U4.9
FPGA_DONE: JX1.8 R172.2(N2) U1.R11
FPGA_VBATT: JX1.7 R9.2(N2) U1.F11 U24.20
GPO0: JX4.1 U17.B7
GPO1: JX4.2 U17.B6
GPO2: JX4.3 U17.B5
GPO3: JX4.4 U17.B4
INIT_B_0_JX2_09: JX2.9 R168.2(N2) U1.R10
IO_00_34_AD9364_CLKSEL: Q6.1 R54.1 U1.R19
IO_00_35_AD9364_RST: U1.G14 U17.K5
IO_25_34_JX4: JX4.64 U1.T19
IO_25_35_AD9364_CLKOUT: U1.J15 U17.J6
IO_L01_34_JX4_N: JX4.21 U1.T10
IO_L01_34_JX4_P: JX4.19 U1.T11
IO_L01_35_RX_D0_N: U1.B20 U17.K11
IO_L01_35_RX_D0_P: U1.C20 U17.J12
IO_L02_34_JX4_N: JX4.22 U1.U12
IO_L02_34_JX4_P: JX4.20 U1.T12
IO_L02_35_RX_D1_N: U1.A20 U17.K10
IO_L02_35_RX_D1_P: U1.B19 U17.J11
IO_L03_34_JX4_N: JX4.27 U1.V13
IO_L03_34_JX4_P: JX4.25 R53.1 U1.U13
IO_L03_35_RX_D2_N: U1.D18 U17.K9
IO_L03_35_RX_D2_P: U1.E17 U17.J10
IO_L04_34_JX4_N: JX4.28 U1.W13
IO_L04_34_JX4_P: JX4.26 U1.V12
IO_L04_35_RX_D3_N: U1.D20 U17.K8
IO_L04_35_RX_D3_P: U1.D19 U17.J9
IO_L05_34_JX4_N: JX4.33 U1.T15
IO_L05_34_JX4_P: JX4.31 U1.T14
IO_L05_35_RX_D4_N: U1.E19 U17.K7
IO_L05_35_RX_D4_P: U1.E18 U17.J8
IO_L06_13_JX2_P: JX2.18 U1.V5
IO_L06_34_JX4_N: JX4.34 U1.R14
IO_L06_34_JX4_P: JX4.32 U1.P14
IO_L06_35_RX_D5_N: U1.F17 U17.J7
IO_L06_35_RX_D5_P: U1.F16 U17.H8
IO_L07_34_JX4_N: JX4.37 U1.Y17
IO_L07_34_JX4_P: JX4.35 U1.Y16
IO_L07_35_RX_FRAME_N: U1.M20 U17.G7
IO_L07_35_RX_FRAME_P: U1.M19 U17.G8
IO_L08_34_JX4_N: JX4.38 U1.Y14
IO_L08_34_JX4_P: JX4.36 U1.W14
IO_L08_35_FB_CLK_N: U1.M18 U17.G10
IO_L08_35_FB_CLK_P: U1.M17 U17.F10
IO_L09_34_JX4_N: JX4.43 U1.U17
IO_L09_34_JX4_P: JX4.41 U1.T16
IO_L09_35_TX_FRAME_N: U1.L20 U17.H9
IO_L09_35_TX_FRAME_P: U1.L19 U17.G9
IO_L10_34_JX4_N: JX4.44 U1.W15
IO_L10_34_JX4_P: JX4.42 U1.V15
IO_L10_35_ENABLE: U1.K19 U17.G6
IO_L10_35_SYNC_IN: R111.2(N2) U1.J19 U17.H5
IO_L11_35_EN_AGC: U1.L16 U17.G5
IO_L11_35_TXNRX: U1.L17 U17.H4
IO_L11_SRCC_13_JX2_N: JX2.37 U1.V7
IO_L11_SRCC_13_JX2_P: JX2.35 U1.U7
IO_L11_SRCC_34_JX4_N: JX4.47 U1.U15
IO_L11_SRCC_34_JX4_P: JX4.45 U1.U14
IO_L12_MRCC_13_JX2_N: JX2.38 U1.U10
IO_L12_MRCC_13_JX2_P: JX2.36 U1.T9
IO_L12_MRCC_34_JX4_N: JX4.48 U1.U19
IO_L12_MRCC_34_JX4_P: JX4.46 U1.U18
IO_L12_MRCC_35_DATA_CLK_N: U1.K18 U17.H11
IO_L12_MRCC_35_DATA_CLK_P: U1.K17 U17.G11
IO_L13_35_TX_D0_N: U1.H17 U17.E12
IO_L13_35_TX_D0_P: U1.H16 U17.D11
IO_L13_MRCC_13_JX2_N: JX2.43 U1.Y6
IO_L13_MRCC_13_JX2_P: JX2.41 U1.Y7
IO_L13_MRCC_34_JX4_N: JX4.53 U1.P19
IO_L13_MRCC_34_JX4_P: JX4.51 U1.N18
IO_L14_35_TX_D1_N: U1.H18 U17.E11
IO_L14_35_TX_D1_P: U1.J18 U17.D10
IO_L14_SRCC_13_JX2_N: JX2.44 U1.Y8
IO_L14_SRCC_13_JX2_P: JX2.42 U1.Y9
IO_L14_SRCC_34_JX4_N: JX4.54 U1.P20
IO_L14_SRCC_34_JX4_P: JX4.52 U1.N20
IO_L15_13_JX2_N: JX2.49 U1.W8
IO_L15_13_JX2_P: JX2.47 U1.V8
IO_L15_34_JX4_N: JX4.59 U1.U20
IO_L15_34_JX4_P: JX4.57 U1.T20
IO_L15_35_TX_D2_N: U1.F20 U17.E10
IO_L15_35_TX_D2_P: U1.F19 U17.D9
IO_L16_13_JX2_N: JX2.50 U1.W9
IO_L16_13_JX2_P: JX2.48 U1.W10
IO_L16_34_JX4_N: JX4.60 U1.W20
IO_L16_34_JX4_P: JX4.58 U1.V20
IO_L16_35_TX_D3_N: U1.G18 U17.E9
IO_L16_35_TX_D3_P: U1.G17 U17.D8
IO_L17_13_JX2_N: JX2.55 U1.U8
IO_L17_13_JX2_P: JX2.53 U1.U9
IO_L17_34_JX4_N: JX4.69 U1.Y19
IO_L17_34_JX4_P: JX4.67 U1.Y18
IO_L17_35_TX_D4_N: U1.H20 U17.E8
IO_L17_35_TX_D4_P: U1.J20 U17.D7
IO_L18_13_JX2_N: JX2.56 U1.Y11
IO_L18_13_JX2_P: JX2.54 U1.W11
IO_L18_34_JX4_N: JX4.70 U1.W16
IO_L18_34_JX4_P: JX4.68(N9) U1.V16
IO_L18_35_TX_D5_N: U1.G20 U17.F8
IO_L18_35_TX_D5_P: U1.G19 U17.E7
IO_L19_13_JX2_N: JX2.63 U1.U5
IO_L19_13_JX2_P: JX2.61 U1.T5
IO_L19_34_JX4_N: JX4.75 U1.R17
IO_L19_34_JX4_P: JX4.73 U1.R16
IO_L19_35_CTRL_OUT0: U1.H15 U17.D4
IO_L19_35_CTRL_OUT1: U1.G15 U17.E6
IO_L20_13_JX2_N: JX2.64 U1.Y13
IO_L20_13_JX2_P: JX2.62 U1.Y12
IO_L20_34_JX4_N: JX4.76 U1.R18
IO_L20_34_JX4_P: JX4.74 U1.T17
IO_L20_35_CTRL_OUT2: U1.K14 U17.E5
IO_L20_35_CTRL_OUT3: U1.J14 U17.E4
IO_L21_13_JX2_N: JX2.69 U1.V10
IO_L21_13_JX2_P: JX2.67 U1.V11
IO_L21_34_JX4_N: JX4.79 U1.V18
IO_L21_34_JX4_P: JX4.77 U1.V17
IO_L21_35_CTRL_OUT4: U1.N15 U17.F6
IO_L21_35_CTRL_OUT5: U1.N16 U17.F5
IO_L22_34_JX4_N: JX4.80 U1.W19
IO_L22_34_JX4_P: JX4.78 U1.W18
IO_L22_35_CTRL_OUT6: U1.L14 U17.F4
IO_L22_35_CTRL_OUT7: U1.L15 U17.G4
IO_L23_34_CTRL_IN0: U1.N17 U22.13
IO_L23_34_CTRL_IN1: U1.P18 U22.12
IO_L23_35_SPI_CLK: U1.M15 U17.J5
IO_L23_35_SPI_ENB: U1.M14 U17.K6
IO_L24_34_CTRL_IN2: U1.P15 U22.11
IO_L24_34_CTRL_IN3: U1.P16 U22.10
IO_L24_35_SPI_DI: U1.K16 U17.J4
IO_L24_35_SPI_DO: U1.J16 U17.L6
J3-9: J3.9(N9) R36.2(N2) U5.7
JTAG_TCK: JX1.1 U1.F9
JTAG_TDI: JX1.4 U1.G6
JTAG_TDO: JX1.3 U1.F6
JTAG_TMS: JX1.2 U1.J6
JX3_SD1_CDN: JX3.41 U5.9
JX_VCCO_13: C27.1 C46.1 C48.1 C167.1 C169.1 C170.1 C171.1 C243.2(N2) JX2.98 JX3.45 JX3.46 R57.1 R58.1 U1.T8 U1.U11 U1.W7 U1.Y10 U21.1
JX_VCCO_34: C2.1 C3.1 C4.1 C7.1 C15.1 C18.1 C22.1 C246.1 JX2.78 JX2.79 JX2.80 U1.N19 U1.R15 U1.T18 U1.V14 U1.W17 U1.Y20 U22.14(VCCB)
JX_VIN: C36.1 C37.1 C45.1 C137.1 C139.1 C364.1 C365.1 JX1.57 JX1.58 JX1.59 JX1.60 JX2.12 JX2.57 JX2.58 JX2.59 JX2.60 L302.1 R23.1 R25.2(N2) R56.1 TP2.1(N1) U4.14 U4.15 U4.16(VIN6) U4.25 U4.26 U4.27 U9.8
PG_1P0V: R304.1 U4.28 U18.16
PG_1P8V: JX2.10 R25.1 U4.13 U4.29 U9.5
PG_MODULE: JX2.11 Q14.1 R43.2(N2) U6.7
PHY1_1V8: C74.1 C78.1 C206.1 C212.1 E14.2(N2) R11.1 U10.10 U10.11 U10.49 U10.52
PHY1_AVDD_1V8: C201.1 C203.1 C210.1 C211.1 C218.1 C219.1 R3.1 U10.3 U10.19 U10.26 U10.35 U10.38
PHY1_AVDD_1V8_OUT: R3.2(N2) U10.39 U24.5
PHY1_AVDD_3V3: C49.1 C208.1 C214.1 C217.1 E15.2(N2) U10.20 U10.25
PHY1_DVDD_1V0: C58.1 C63.1 C73.1 C75.1 U10.6 U10.40 U10.42
PHY1_LED_0: Q2.1 R14.1 U10.14
PHY1_LED_1: Q1.1 R13.1 U10.13
PHY1_VDD_3V3: C50.1 C224.1 C225.1 C226.1 E16.2(N2) R15.1 R16.1 U10.36
PS-SRST#: Q5.2(S) R7.2(N2) R19.1 U1.B10
PS_MIO00_500_JX4: JX4.97 U1.E6
PS_MIO01_500_QSPI0_SS_B: R28.2(N2) U1.A7 U13.C2
PS_MIO02_500_QSPI0_IO0: R120.1 U1.B8 U13.D3
PS_MIO03_500_QSPI0_IO1: R119.1 U1.D6 U13.D2
PS_MIO04_500_QSPI0_IO2: R121.1 U1.B7 U13.C4(W#DQ2)
PS_MIO05_500_QSPI0_IO3: R122.1 U1.A6 U13.D4
PS_MIO06_500_QSPI0_SCLK: R116.1 U1.A5 U13.B2
PS_MIO07_500_USB_RESET_B: R31.2(N2) U1.D8 U15.27
PS_MIO08_500_ETH0_RESETN: R32.2(N2) U1.D5 U10.16
PS_MIO09_500_USB_CLK_PD: R27.1 U1.B5 Y3.1
PS_MIO10_500_JX4: JX4.87 U1.E9
PS_MIO11_500_JX4: JX4.88 U1.C6
PS_MIO12_500_JX4: JX4.86 U1.D9
PS_MIO13_500_JX4: JX4.91 U1.E8
PS_MIO14_500_JX4: JX4.93 U1.C5
PS_MIO15_500_JX4: JX4.85 U1.C8
PS_MIO16_501_ETH0_TX_CLK: U1.A19 U10.53
PS_MIO17_501_ETH0_TX_D0: U1.E14 U10.50
PS_MIO18_501_ETH0_TX_D1: U1.B18 U10.51
PS_MIO19_501_ETH0_TX_D2: U1.D10 U10.54
PS_MIO20_501_ETH0_TX_D3: U1.A17 U10.55
PS_MIO21_501_ETH0_TX_CTL: U1.F14 U10.56
PS_MIO22_501_ETH0_RX_CLK: U1.B17 U10.46
PS_MIO23_501_ETH0_RX_D0: U1.D11 U10.44
PS_MIO24_501_ETH0_RX_D1: U1.A16 U10.45
PS_MIO25_501_ETH0_RX_D2: U1.F15 U10.47
PS_MIO26_501_ETH0_RX_D3: U1.A15 U10.48
PS_MIO27_501_ETH0_RX_CTL: U1.D13 U10.43
PS_MIO28_501_USB0_D4: U1.C16 U15.7
PS_MIO29_501_USB0_DIR: U1.C13 U15.31
PS_MIO30_501_USB0_STP: U1.C15 U15.29
PS_MIO31_501_USB0_NXT: U1.E16 U15.2
PS_MIO32_501_USB0_D0: U1.A14 U15.3
PS_MIO33_501_USB0_D1: U1.D15 U15.4
PS_MIO34_501_USB0_D2: U1.A12 U15.5
PS_MIO35_501_USB0_D3: U1.F12 U15.6
PS_MIO36_501_USB0_CLK: U1.A11 U15.1
PS_MIO37_501_USB0_D5: U1.A10 U15.9
PS_MIO38_501_USB0_D6: U1.E13 U15.10
PS_MIO39_501_USB0_D7: U1.C18 U15.13
PS_MIO40_501_SD0_CLK: U1.D14 U11.9
PS_MIO41_501_SD0_CMD: U1.C17 U11.4
PS_MIO42_501_SD0_DATA0: U1.E12 U11.6
PS_MIO43_501_SD0_DATA1: U1.A9 U11.7
PS_MIO44_501_SD0_DATA2: U1.F13 U11.1
PS_MIO45_501_SD0_DATA3: U1.B15 U11.3
PS_MIO46_501_JX4: JX4.92 R37.2(N2) U1.D16
PS_MIO47_501_JX4: JX4.94 R26.1 U1.B14
PS_MIO48_501_JX4: JX4.99 U1.B12
PS_MIO49_501_JX4: JX4.98 U1.C12
PS_MIO50_501_SD0_CD: U1.B13 U5.8
PS_MIO51_501_JX4: JX4.100 U1.B9
PS_MIO52_501_ETH0_MDC: U1.C10 U10.7
PS_MIO53_501_ETH0_MDIO: R11.2(N2) U1.C11 U10.8
PWR_ENABLE: JX1.5 R56.2(N2) U18.15
PWR_GD: R306.1 U9.7 U19.5 U20.5
PWR_GD_1.35V: C34.1 R22.1 SW1.1A SW1.1B U1.C7 U4.12
RX_EXT_LO: U17.G1 W1.1(N1)
RX_VCO_LDO_OUT: C13.2(N2) R2.1 U17.G2 U17.G3
RXA_N: C8.2(N2) U17.M2
RXA_P: C9.2(N2) U17.M1
RXB_N: C85.2(N2) U17.J1
RXB_P: C90.2(N2) U17.H1
S_IN_N: JP2.3 U10.2
S_IN_P: JP1.3 U10.1
S_OUT_N: JP4.3 U10.5
S_OUT_P: JP3.3 U10.4
SCL: JX2.17 R58.2(N2) U1.W6 U21.2
SCL_AD7291: R44.2(N2) U21.7 U24.15
SD_SEL: S1.2 U5.5 U11.24
SDA: JX2.19 R57.2(N2) U1.V6 U21.3
SDA_AD7291: R42.2(N2) U21.6 U24.14
SDIO_CLKB0: J3.5 U11.19
SDIO_CLKB1: JX3.43 U11.13
SDIO_CMDB0: J3.3 R109.2(N2) U11.20
SDIO_CMDB1: JX3.34 R4.2(N2) U11.12
SDIO_DAT0B0: J3.7 U11.18
SDIO_DAT0B1: JX3.37 U11.14
SDIO_DAT1B0: J3.8 U11.16
SDIO_DAT1B1: JX3.36 U11.15
SDIO_DAT2B0: J3.1 U11.23
SDIO_DAT2B1: JX3.39 U11.8
SDIO_DAT3B0: J3.2 U11.22
SDIO_DAT3B1: JX3.38 U11.10
SYNC: L5.1 U18.9 U18.10 U18.11
TX_MON: C6.2(N2) U17.M5
TX_VCO_1P1V_SUPPLY: C104.2(N2) R123.1 U17.A11 U17.B11
TXA_N: C25.1 L8.2(N2) U17.M8
TXA_P: C26.1 L9.2(N2) U17.M7
TXB_N: C99.1 L1.2(N2) U17.M10
TXB_P: C110.1 L2.2(N2) U17.M9
UNNAMED_2_CAP_I87_N1: C242.1 U10.41
UNNAMED_2_CAP_I87_N2: C242.2(N2) U10.37
UNNAMED_2_CAP_I153_N1: C59.1 U10.33(XTAL_OUT) Y2.1
UNNAMED_2_CAP_I154_N1: C60.1 U10.34 Y2.3(N2)
UNNAMED_2_DIO6PV8_I47_REF1: R178.2(N2) U16.2
UNNAMED_2_IC88E151X_I86_CONFIG: R12.2(N2) U10.15
UNNAMED_2_IC88E151X_I86_RSET: R50.1 U10.30
UNNAMED_2_ICUSB3320C_I42_RBIAS: R176.1 U15.24
UNNAMED_2_ICUSB3320C_I42_REFCLK: R175.1 U15.26
UNNAMED_2_RES_I8_N2: R191.1 R194.2(N2) U1.E11
UNNAMED_2_RES_I50_N2: R175.2(N2) Y3.3
UNNAMED_2_RES_I105_N1: Q4.3 R18.1
UNNAMED_2_RES_I108_N2: Q2.3 Q4.1 R16.2(N2)
UNNAMED_2_RES_I112_N1: Q3.3 R17.1
UNNAMED_2_RES_I114_N2: Q1.3 Q3.1 R15.2(N2)
UNNAMED_3_ICMT25Q_I231_RESET: R19.2(N2) U13.A4
UNNAMED_3_ICXC7Z20_I217_PSCLK50: R114.2(N2) U1.E7
UNNAMED_3_RES_I30_N2: R121.2(N2) S3.2
UNNAMED_3_RES_I33_N2: R122.2(N2) S4.2
UNNAMED_3_RES_I222_N1: R114.1 Y1.3
UNNAMED_3_RES_I228_N2: R40.2(N2) R41.1 Y1.1
UNNAMED_5_ICMT41K256M16_I128_ZQ: R165.1 U2.L8(ZQ)
UNNAMED_5_ICMT41K256M16_I137_ZQ: R166.1 U3.L8(ZQ)
UNNAMED_5_ICTPS51206_I120_S3: R222.2(N2) U14.7
UNNAMED_5_ICTPS51206_I120_S5: R221.2(N2) U14.9
UNNAMED_5_ICTPS51206_I120_VLDOI: R6.2(N2) U14.2
UNNAMED_5_ICTPS51206_I120_VTTSN: R161.2(N2) U14.5(VTTSNS)
UNNAMED_5_ICXC7Z20_I195_PSDDR_2: R135.1 U1.H5
UNNAMED_5_ICXC7Z20_I195_PSDDRVR: R134.1 U1.G5
UNNAMED_6_CAP_I20_N1: C178.1 C251.1 L12.2(N2) U1.G8(VCCPL)
UNNAMED_6_CAP_I222_N1: C189.1 C190.1 E1.2(N2) U1.J9
UNNAMED_6_CAP_I222_N2: C189.2(N2) C190.2(N2) E12.2(N2) U1.J10 U1.K10 U1.L9
UNNAMED_6_DIOLED_I352_N: D4.C R172.1
UNNAMED_6_ICXC7Z20_I344_CFGBVS0: R167.2(N2) U1.M6
UNNAMED_6_ICXC7Z20_I344_PROGRAM: R169.1 U1.L6
UNNAMED_8_AD9364_I22_RBIAS: R125.1 U17.L4
UNNAMED_8_CAP_I135_N1: C8.1 T1.6(SEC_DOT)
UNNAMED_8_CAP_I136_N1: C9.1 T1.4
UNNAMED_8_CAP_I200_N1: C6.1 R1.2(N2)